# Altium PCB Shuttler_AMC.PcbDoc (part 9 of 12)
Units mm, origin at the board's own origin, x right, y up, seen from the top; angles counter-clockwise.
Board outline 180.71 x 148.55 mm, 12 copper layers (Layer 1, Layer 2, Layer 3, Layer 4, Layer 5, Layer 6, Layer 7, Layer 8, Layer 9, Layer 10, Layer 11, Layer 12), stack 2.14 mm thick; 1184 components, 1698 nets, 9088 pads, 920 vias.
Unrouted connection lines stored in the file: 1441.
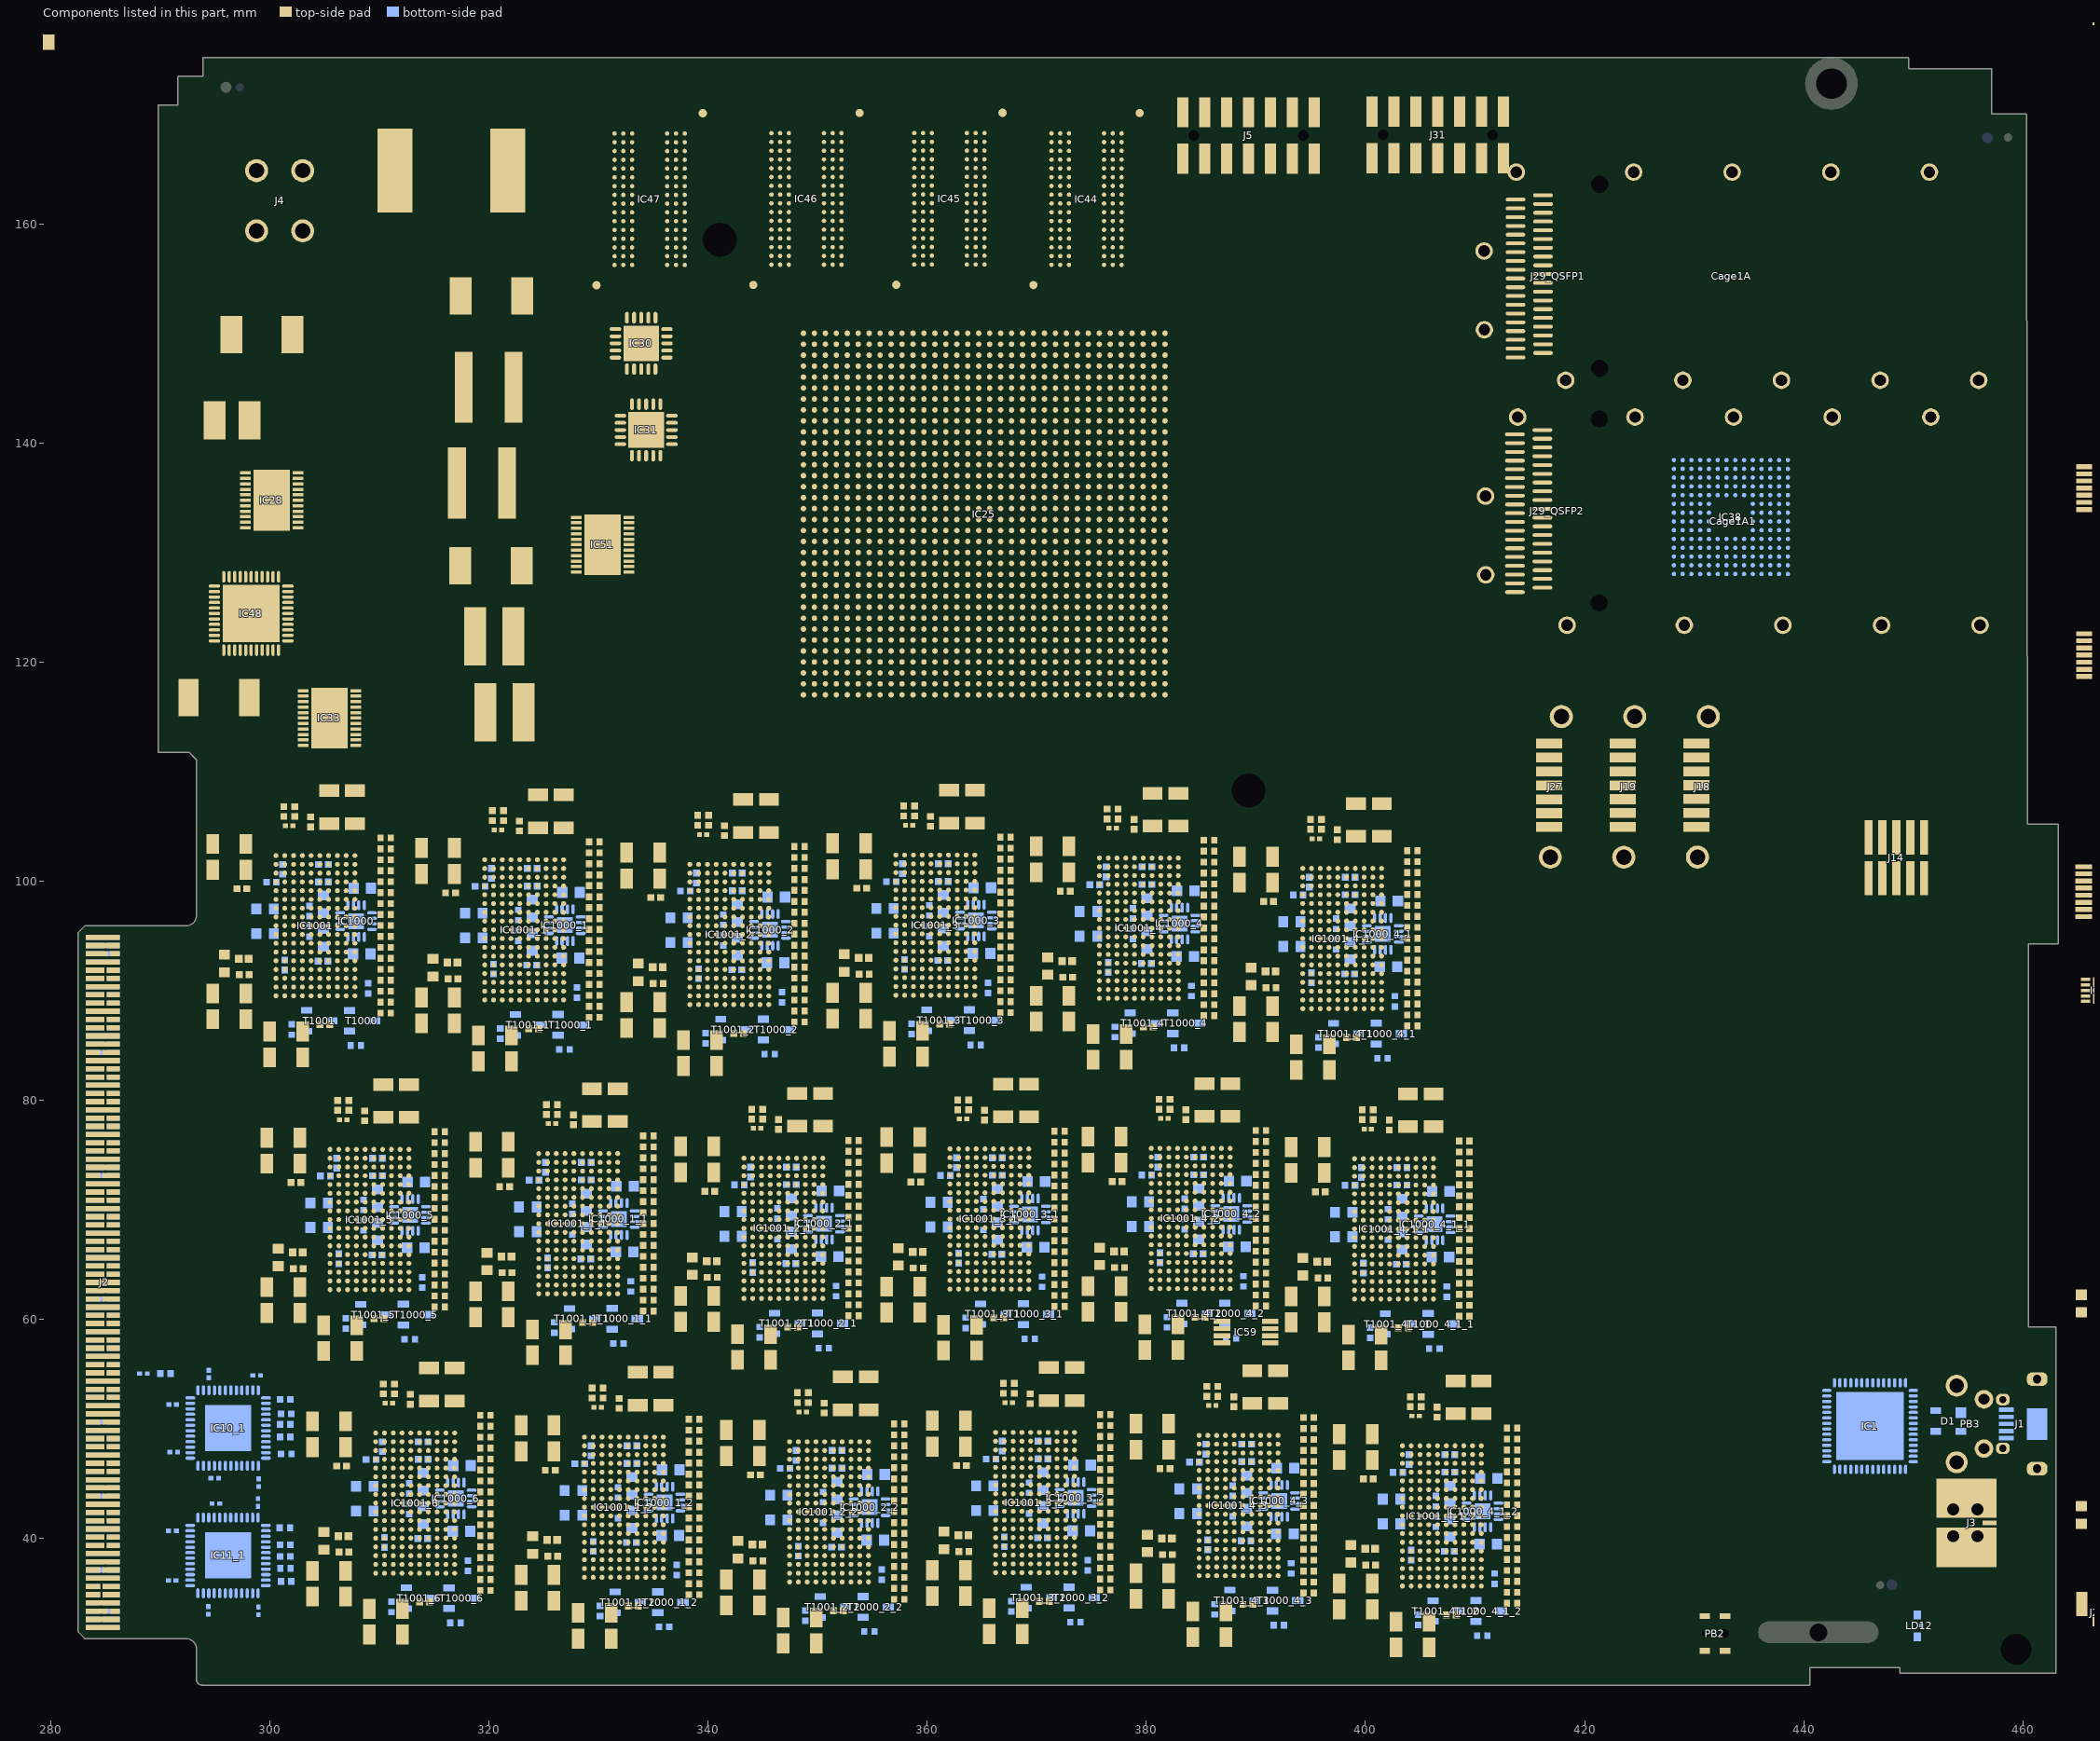
[diagram p15: the components of this part, seen from the top]

## Via types
v1: diameter 0.356, hole 0.155, Layer 1 to Layer 12, 431 vias
v2: diameter 0.3, hole 0.1, Layer 1 to Layer 12, 429 vias
v3: diameter 0.6, hole 0.3, Layer 1 to Layer 12, 38 vias
v4: diameter 0.406, hole 0.203, Layer 1 to Layer 12, 22 vias

## Nets (pads, with @x,y where several pads share a name; then routed paths per layer and width w, separated by ;. In a path a pad name is that pad's centre, name@x,y a point inside that pad or via, vN(x,y) a via of type N, cw(c..) or ccw(c..) an arc to the next point about the centre after c; other vN are vias at no path point) (continued)
pads on no net: IC1001_4_1_1.M2 IC1001_4_1_1.M3 IC1001_4_1_1.M4 IC1001_4_1_1.M5 IC1001_4_1_1.M6 IC1001_4_1_1.M7 IC1001_4_1_1.M8 IC1001_4_1_1.M9 IC1001_4_1_1.M10 IC1001_4_1_1.N1 IC1001_4_1_1.N2 IC1001_4_1_1.N3 IC1001_4_1_1.N4 IC1001_4_1_1.N5 IC1001_4_1_1.N6 IC1001_4_1_1.N7 IC1001_4_1_1.N8 IC1001_4_1_1.N9 IC1001_4_1_1.N10 IC1001_4_1_1.P1 IC1001_4_1_1.P2 IC1001_4_1_1.P3 IC1001_4_1_1.P4 IC1001_4_1_1.P5 IC1001_4_1_1.P6 IC1001_4_1_1.P7 IC1001_4_1_1.P8 IC1001_4_1_1.P9 IC1001_4_1_1.P10 IC1001_4_1_1.Q1 IC1001_4_1_1.Q2 IC1001_4_1_1.Q3 IC1001_4_1_1.Q4 IC1001_4_1_1.Q5 IC1001_4_1_1.Q6 IC1001_4_1_1.Q7 IC1001_4_1_1.Q8 IC1001_4_1_1.Q9 IC1001_4_1_1.Q10 IC1001_4_1_1.R1 IC1001_4_1_1.R2 IC1001_4_1_1.R3 IC1001_4_1_1.R4 IC1001_4_1_1.R5 IC1001_4_1_1.R6 IC1001_4_1_1.R7 IC1001_4_1_1.R8 IC1001_4_1_1.R9 IC1001_4_1_1.R10 IC1001_4_1_1.S1 IC1001_4_1_1.S2 IC1001_4_1_1.S3 IC1001_4_1_1.S4 IC1001_4_1_1.S5 IC1001_4_1_1.S6 IC1001_4_1_1.S7 IC1001_4_1_1.S8 IC1001_4_1_1.S9 IC1001_4_1_1.S10 IC1001_4_1_2.A1 IC1001_4_1_2.A2 IC1001_4_1_2.A3 IC1001_4_1_2.A4 IC1001_4_1_2.A5 IC1001_4_1_2.A6 IC1001_4_1_2.A7 IC1001_4_1_2.A8 IC1001_4_1_2.A9 IC1001_4_1_2.A10 IC1001_4_1_2.B1 IC1001_4_1_2.B2 IC1001_4_1_2.B3 IC1001_4_1_2.B4 IC1001_4_1_2.B5 IC1001_4_1_2.B6 IC1001_4_1_2.B7 IC1001_4_1_2.B8 IC1001_4_1_2.B9 IC1001_4_1_2.B10 IC1001_4_1_2.C1 IC1001_4_1_2.C2 IC1001_4_1_2.C3 IC1001_4_1_2.C4 IC1001_4_1_2.C5 IC1001_4_1_2.C6 IC1001_4_1_2.C7 IC1001_4_1_2.C8 IC1001_4_1_2.C9 IC1001_4_1_2.C10 IC1001_4_1_2.D1 IC1001_4_1_2.D2 IC1001_4_1_2.D3 IC1001_4_1_2.D4 IC1001_4_1_2.D5 IC1001_4_1_2.D6 IC1001_4_1_2.D7 IC1001_4_1_2.D8 IC1001_4_1_2.D9 IC1001_4_1_2.D10 IC1001_4_1_2.E1 IC1001_4_1_2.E2 IC1001_4_1_2.E3 IC1001_4_1_2.E4 IC1001_4_1_2.E5 IC1001_4_1_2.E6 IC1001_4_1_2.E7 IC1001_4_1_2.E8 IC1001_4_1_2.E9 IC1001_4_1_2.E10 IC1001_4_1_2.F1 IC1001_4_1_2.F2 IC1001_4_1_2.F3 IC1001_4_1_2.F4 IC1001_4_1_2.F5 IC1001_4_1_2.F6 IC1001_4_1_2.F7 IC1001_4_1_2.F8 IC1001_4_1_2.F9 IC1001_4_1_2.F10 IC1001_4_1_2.G1 IC1001_4_1_2.G2 IC1001_4_1_2.G3 IC1001_4_1_2.G4 IC1001_4_1_2.G5 IC1001_4_1_2.G6 IC1001_4_1_2.G7 IC1001_4_1_2.G8 IC1001_4_1_2.G9 IC1001_4_1_2.G10 IC1001_4_1_2.H1 IC1001_4_1_2.H2 IC1001_4_1_2.H3 IC1001_4_1_2.H4 IC1001_4_1_2.H5 IC1001_4_1_2.H6 IC1001_4_1_2.H7 IC1001_4_1_2.H8 IC1001_4_1_2.H9 IC1001_4_1_2.H10 IC1001_4_1_2.J1 IC1001_4_1_2.J2 IC1001_4_1_2.J3 IC1001_4_1_2.J4 IC1001_4_1_2.J5 IC1001_4_1_2.J6 IC1001_4_1_2.J7 IC1001_4_1_2.J8 IC1001_4_1_2.J9 IC1001_4_1_2.J10 IC1001_4_1_2.K1 IC1001_4_1_2.K2 IC1001_4_1_2.K3 IC1001_4_1_2.K4 IC1001_4_1_2.K5 IC1001_4_1_2.K6 IC1001_4_1_2.K7 IC1001_4_1_2.K8 IC1001_4_1_2.K9 IC1001_4_1_2.K10 IC1001_4_1_2.L1 IC1001_4_1_2.L2 IC1001_4_1_2.L3 IC1001_4_1_2.L4 IC1001_4_1_2.L5 IC1001_4_1_2.L6 IC1001_4_1_2.L7 IC1001_4_1_2.L8 IC1001_4_1_2.L9 IC1001_4_1_2.L10 IC1001_4_1_2.M1 IC1001_4_1_2.M2 IC1001_4_1_2.M3 IC1001_4_1_2.M4 IC1001_4_1_2.M5 IC1001_4_1_2.M6 IC1001_4_1_2.M7 IC1001_4_1_2.M8 IC1001_4_1_2.M9 IC1001_4_1_2.M10 IC1001_4_1_2.N1 IC1001_4_1_2.N2 IC1001_4_1_2.N3 IC1001_4_1_2.N4 IC1001_4_1_2.N5 IC1001_4_1_2.N6 IC1001_4_1_2.N7 IC1001_4_1_2.N8 IC1001_4_1_2.N9 IC1001_4_1_2.N10 IC1001_4_1_2.P1 IC1001_4_1_2.P2 IC1001_4_1_2.P3 IC1001_4_1_2.P4 IC1001_4_1_2.P5 IC1001_4_1_2.P6 IC1001_4_1_2.P7 IC1001_4_1_2.P8 IC1001_4_1_2.P9 IC1001_4_1_2.P10 IC1001_4_1_2.Q1 IC1001_4_1_2.Q2 IC1001_4_1_2.Q3 IC1001_4_1_2.Q4 IC1001_4_1_2.Q5 IC1001_4_1_2.Q6 IC1001_4_1_2.Q7 IC1001_4_1_2.Q8 IC1001_4_1_2.Q9 IC1001_4_1_2.Q10 IC1001_4_1_2.R1 IC1001_4_1_2.R2 IC1001_4_1_2.R3 IC1001_4_1_2.R4 IC1001_4_1_2.R5 IC1001_4_1_2.R6 IC1001_4_1_2.R7 IC1001_4_1_2.R8 IC1001_4_1_2.R9 IC1001_4_1_2.R10 IC1001_4_1_2.S1 IC1001_4_1_2.S2 IC1001_4_1_2.S3 IC1001_4_1_2.S4 IC1001_4_1_2.S5 IC1001_4_1_2.S6 IC1001_4_1_2.S7 IC1001_4_1_2.S8 IC1001_4_1_2.S9 IC1001_4_1_2.S10 IC1001_4_2.A1 IC1001_4_2.A2 IC1001_4_2.A3 IC1001_4_2.A4 IC1001_4_2.A5 IC1001_4_2.A6 IC1001_4_2.A7 IC1001_4_2.A8 IC1001_4_2.A9 IC1001_4_2.A10 IC1001_4_2.B1 IC1001_4_2.B2 IC1001_4_2.B3 IC1001_4_2.B4 IC1001_4_2.B5 IC1001_4_2.B6 IC1001_4_2.B7 IC1001_4_2.B8 IC1001_4_2.B9 IC1001_4_2.B10 IC1001_4_2.C1 IC1001_4_2.C2 IC1001_4_2.C3 IC1001_4_2.C4 IC1001_4_2.C5 IC1001_4_2.C6 IC1001_4_2.C7 IC1001_4_2.C8 IC1001_4_2.C9 IC1001_4_2.C10 IC1001_4_2.D1 IC1001_4_2.D2 IC1001_4_2.D3 IC1001_4_2.D4 IC1001_4_2.D5 IC1001_4_2.D6 IC1001_4_2.D7 IC1001_4_2.D8 IC1001_4_2.D9 IC1001_4_2.D10 IC1001_4_2.E1 IC1001_4_2.E2 IC1001_4_2.E3 IC1001_4_2.E4 IC1001_4_2.E5 IC1001_4_2.E6 IC1001_4_2.E7 IC1001_4_2.E8 IC1001_4_2.E9 IC1001_4_2.E10 IC1001_4_2.F1 IC1001_4_2.F2 IC1001_4_2.F3 IC1001_4_2.F4 IC1001_4_2.F5 IC1001_4_2.F6 IC1001_4_2.F7 IC1001_4_2.F8 IC1001_4_2.F9 IC1001_4_2.F10 IC1001_4_2.G1 IC1001_4_2.G2 IC1001_4_2.G3 IC1001_4_2.G4 IC1001_4_2.G5 IC1001_4_2.G6 IC1001_4_2.G7 IC1001_4_2.G8 IC1001_4_2.G9 IC1001_4_2.G10 IC1001_4_2.H1 IC1001_4_2.H2 IC1001_4_2.H3 IC1001_4_2.H4 IC1001_4_2.H5 IC1001_4_2.H6 IC1001_4_2.H7 IC1001_4_2.H8 IC1001_4_2.H9 IC1001_4_2.H10 IC1001_4_2.J1 IC1001_4_2.J2 IC1001_4_2.J3 IC1001_4_2.J4 IC1001_4_2.J5 IC1001_4_2.J6 IC1001_4_2.J7 IC1001_4_2.J8 IC1001_4_2.J9 IC1001_4_2.J10 IC1001_4_2.K1 IC1001_4_2.K2 IC1001_4_2.K3 IC1001_4_2.K4 IC1001_4_2.K5 IC1001_4_2.K6 IC1001_4_2.K7 IC1001_4_2.K8 IC1001_4_2.K9 IC1001_4_2.K10 IC1001_4_2.L1 IC1001_4_2.L2 IC1001_4_2.L3 IC1001_4_2.L4 IC1001_4_2.L5 IC1001_4_2.L6 IC1001_4_2.L7 IC1001_4_2.L8 IC1001_4_2.L9 IC1001_4_2.L10 IC1001_4_2.M1 IC1001_4_2.M2 IC1001_4_2.M3 IC1001_4_2.M4 IC1001_4_2.M5 IC1001_4_2.M6 IC1001_4_2.M7 IC1001_4_2.M8 IC1001_4_2.M9 IC1001_4_2.M10 IC1001_4_2.N1 IC1001_4_2.N2 IC1001_4_2.N3 IC1001_4_2.N4 IC1001_4_2.N5 IC1001_4_2.N6 IC1001_4_2.N7 IC1001_4_2.N8 IC1001_4_2.N9 IC1001_4_2.N10 IC1001_4_2.P1 IC1001_4_2.P2 IC1001_4_2.P3 IC1001_4_2.P4 IC1001_4_2.P5 IC1001_4_2.P6 IC1001_4_2.P7 IC1001_4_2.P8 IC1001_4_2.P9 IC1001_4_2.P10 IC1001_4_2.Q1 IC1001_4_2.Q2 IC1001_4_2.Q3 IC1001_4_2.Q4 IC1001_4_2.Q5 IC1001_4_2.Q6 IC1001_4_2.Q7 IC1001_4_2.Q8 IC1001_4_2.Q9 IC1001_4_2.Q10 IC1001_4_2.R1 IC1001_4_2.R2 IC1001_4_2.R3 IC1001_4_2.R4 IC1001_4_2.R5 IC1001_4_2.R6 IC1001_4_2.R7 IC1001_4_2.R8 IC1001_4_2.R9 IC1001_4_2.R10 IC1001_4_2.S1 IC1001_4_2.S2 IC1001_4_2.S3 IC1001_4_2.S4 IC1001_4_2.S5 IC1001_4_2.S6 IC1001_4_2.S7 IC1001_4_2.S8 IC1001_4_2.S9 IC1001_4_2.S10 IC1001_4_3.A1 IC1001_4_3.A2 IC1001_4_3.A3 IC1001_4_3.A4 IC1001_4_3.A5 IC1001_4_3.A6 IC1001_4_3.A7 IC1001_4_3.A8 IC1001_4_3.A9 IC1001_4_3.A10 IC1001_4_3.B1 IC1001_4_3.B2 IC1001_4_3.B3 IC1001_4_3.B4 IC1001_4_3.B5 IC1001_4_3.B6 IC1001_4_3.B7 IC1001_4_3.B8 IC1001_4_3.B9 IC1001_4_3.B10 IC1001_4_3.C1 IC1001_4_3.C2 IC1001_4_3.C3 IC1001_4_3.C4 IC1001_4_3.C5 IC1001_4_3.C6 IC1001_4_3.C7 IC1001_4_3.C8 IC1001_4_3.C9 IC1001_4_3.C10 IC1001_4_3.D1 IC1001_4_3.D2 IC1001_4_3.D3 IC1001_4_3.D4 IC1001_4_3.D5 IC1001_4_3.D6 IC1001_4_3.D7 IC1001_4_3.D8 IC1001_4_3.D9 IC1001_4_3.D10 IC1001_4_3.E1 IC1001_4_3.E2 IC1001_4_3.E3 IC1001_4_3.E4 IC1001_4_3.E5 IC1001_4_3.E6 IC1001_4_3.E7 IC1001_4_3.E8 IC1001_4_3.E9 IC1001_4_3.E10 IC1001_4_3.F1 IC1001_4_3.F2 IC1001_4_3.F3 IC1001_4_3.F4 IC1001_4_3.F5 IC1001_4_3.F6 IC1001_4_3.F7 IC1001_4_3.F8 IC1001_4_3.F9 IC1001_4_3.F10 IC1001_4_3.G1 IC1001_4_3.G2 IC1001_4_3.G3 IC1001_4_3.G4 IC1001_4_3.G5 IC1001_4_3.G6 IC1001_4_3.G7 IC1001_4_3.G8 IC1001_4_3.G9 IC1001_4_3.G10 IC1001_4_3.H1 IC1001_4_3.H2 IC1001_4_3.H3 IC1001_4_3.H4 IC1001_4_3.H5 IC1001_4_3.H6 IC1001_4_3.H7 IC1001_4_3.H8 IC1001_4_3.H9 IC1001_4_3.H10 IC1001_4_3.J1 IC1001_4_3.J2 IC1001_4_3.J3 IC1001_4_3.J4 IC1001_4_3.J5 IC1001_4_3.J6 IC1001_4_3.J7 IC1001_4_3.J8 IC1001_4_3.J9 IC1001_4_3.J10 IC1001_4_3.K1 IC1001_4_3.K2 IC1001_4_3.K3 IC1001_4_3.K4 IC1001_4_3.K5 IC1001_4_3.K6 IC1001_4_3.K7 IC1001_4_3.K8 IC1001_4_3.K9 IC1001_4_3.K10 IC1001_4_3.L1 IC1001_4_3.L2 IC1001_4_3.L3 IC1001_4_3.L4 IC1001_4_3.L5 IC1001_4_3.L6 IC1001_4_3.L7 IC1001_4_3.L8 IC1001_4_3.L9 IC1001_4_3.L10 IC1001_4_3.M1 IC1001_4_3.M2 IC1001_4_3.M3 IC1001_4_3.M4 IC1001_4_3.M5 IC1001_4_3.M6 IC1001_4_3.M7 IC1001_4_3.M8 IC1001_4_3.M9 IC1001_4_3.M10 IC1001_4_3.N1 IC1001_4_3.N2 IC1001_4_3.N3 IC1001_4_3.N4 IC1001_4_3.N5 IC1001_4_3.N6 IC1001_4_3.N7 IC1001_4_3.N8 IC1001_4_3.N9 IC1001_4_3.N10 IC1001_4_3.P1 IC1001_4_3.P2 IC1001_4_3.P3 IC1001_4_3.P4 IC1001_4_3.P5 IC1001_4_3.P6 IC1001_4_3.P7 IC1001_4_3.P8 IC1001_4_3.P9 IC1001_4_3.P10 IC1001_4_3.Q1 IC1001_4_3.Q2 IC1001_4_3.Q3 IC1001_4_3.Q4 IC1001_4_3.Q5 IC1001_4_3.Q6 IC1001_4_3.Q7 IC1001_4_3.Q8 IC1001_4_3.Q9 IC1001_4_3.Q10 IC1001_4_3.R1 IC1001_4_3.R2 IC1001_4_3.R3 IC1001_4_3.R4 IC1001_4_3.R5 IC1001_4_3.R6 IC1001_4_3.R7 IC1001_4_3.R8 IC1001_4_3.R9 IC1001_4_3.R10 IC1001_4_3.S1 IC1001_4_3.S2 IC1001_4_3.S3 IC1001_4_3.S4 IC1001_4_3.S5 IC1001_4_3.S6 IC1001_4_3.S7 IC1001_4_3.S8 IC1001_4_3.S9 IC1001_4_3.S10 IC1001_5.A1 IC1001_5.A2 IC1001_5.A3 IC1001_5.A4 IC1001_5.A5 IC1001_5.A6 IC1001_5.A7 IC1001_5.A8 IC1001_5.A9 IC1001_5.A10 IC1001_5.B1 IC1001_5.B2 IC1001_5.B3 IC1001_5.B4 IC1001_5.B5 IC1001_5.B6 IC1001_5.B7 IC1001_5.B8 IC1001_5.B9 IC1001_5.B10 IC1001_5.C1 IC1001_5.C2 IC1001_5.C3 IC1001_5.C4 IC1001_5.C5 IC1001_5.C6 IC1001_5.C7 IC1001_5.C8 IC1001_5.C9 IC1001_5.C10 IC1001_5.D1 IC1001_5.D2 IC1001_5.D3 IC1001_5.D4 IC1001_5.D5 IC1001_5.D6 IC1001_5.D7 IC1001_5.D8 IC1001_5.D9 IC1001_5.D10 IC1001_5.E1 IC1001_5.E2 IC1001_5.E3 IC1001_5.E4 IC1001_5.E5 IC1001_5.E6 IC1001_5.E7 IC1001_5.E8 IC1001_5.E9 IC1001_5.E10 IC1001_5.F1 IC1001_5.F2 IC1001_5.F3 IC1001_5.F4 IC1001_5.F5 IC1001_5.F6 IC1001_5.F7 IC1001_5.F8 IC1001_5.F9 IC1001_5.F10 IC1001_5.G1 IC1001_5.G2 IC1001_5.G3 IC1001_5.G4 IC1001_5.G5 IC1001_5.G6 IC1001_5.G7 IC1001_5.G8 IC1001_5.G9 IC1001_5.G10 IC1001_5.H1 IC1001_5.H2 IC1001_5.H3 IC1001_5.H4 IC1001_5.H5 IC1001_5.H6 IC1001_5.H7 IC1001_5.H8 IC1001_5.H9 IC1001_5.H10 IC1001_5.J1 IC1001_5.J2 IC1001_5.J3 IC1001_5.J4 IC1001_5.J5 IC1001_5.J6 IC1001_5.J7 IC1001_5.J8 IC1001_5.J9 IC1001_5.J10 IC1001_5.K1 IC1001_5.K2 IC1001_5.K3 IC1001_5.K4 IC1001_5.K5 IC1001_5.K6 IC1001_5.K7 IC1001_5.K8 IC1001_5.K9 IC1001_5.K10 IC1001_5.L1 IC1001_5.L2 IC1001_5.L3 IC1001_5.L4 IC1001_5.L5 IC1001_5.L6 IC1001_5.L7 IC1001_5.L8 IC1001_5.L9 IC1001_5.L10 IC1001_5.M1 IC1001_5.M2 IC1001_5.M3 IC1001_5.M4 IC1001_5.M5 IC1001_5.M6 IC1001_5.M7 IC1001_5.M8 IC1001_5.M9 IC1001_5.M10 IC1001_5.N1 IC1001_5.N2 IC1001_5.N3 IC1001_5.N4 IC1001_5.N5 IC1001_5.N6 IC1001_5.N7 IC1001_5.N8 IC1001_5.N9 IC1001_5.N10 IC1001_5.P1 IC1001_5.P2 IC1001_5.P3 IC1001_5.P4 IC1001_5.P5 IC1001_5.P6 IC1001_5.P7 IC1001_5.P8 IC1001_5.P9 IC1001_5.P10 IC1001_5.Q1 IC1001_5.Q2 IC1001_5.Q3 IC1001_5.Q4 IC1001_5.Q5 IC1001_5.Q6 IC1001_5.Q7 IC1001_5.Q8 IC1001_5.Q9 IC1001_5.Q10 IC1001_5.R1 IC1001_5.R2 IC1001_5.R3 IC1001_5.R4 IC1001_5.R5 IC1001_5.R6 IC1001_5.R7 IC1001_5.R8 IC1001_5.R9 IC1001_5.R10 IC1001_5.S1 IC1001_5.S2 IC1001_5.S3 IC1001_5.S4 IC1001_5.S5 IC1001_5.S6 IC1001_5.S7 IC1001_5.S8 IC1001_5.S9 IC1001_5.S10 IC1001_6.A1 IC1001_6.A2 IC1001_6.A3 IC1001_6.A4 IC1001_6.A5 IC1001_6.A6 IC1001_6.A7 IC1001_6.A8 IC1001_6.A9 IC1001_6.A10 IC1001_6.B1 IC1001_6.B2 IC1001_6.B3 IC1001_6.B4 IC1001_6.B5 IC1001_6.B6 IC1001_6.B7 IC1001_6.B8 IC1001_6.B9 IC1001_6.B10 IC1001_6.C1 IC1001_6.C2 IC1001_6.C3 IC1001_6.C4 IC1001_6.C5 IC1001_6.C6 IC1001_6.C7 IC1001_6.C8 IC1001_6.C9 IC1001_6.C10 IC1001_6.D1 IC1001_6.D2 IC1001_6.D3 IC1001_6.D4 IC1001_6.D5 IC1001_6.D6 IC1001_6.D7 IC1001_6.D8 IC1001_6.D9 IC1001_6.D10 IC1001_6.E1 IC1001_6.E2 IC1001_6.E3 IC1001_6.E4 IC1001_6.E5 IC1001_6.E6 IC1001_6.E7 IC1001_6.E8 IC1001_6.E9 IC1001_6.E10 IC1001_6.F1 IC1001_6.F2 IC1001_6.F3 IC1001_6.F4 IC1001_6.F5 IC1001_6.F6 IC1001_6.F7 IC1001_6.F8 IC1001_6.F9 IC1001_6.F10 IC1001_6.G1 IC1001_6.G2 IC1001_6.G3 IC1001_6.G4 IC1001_6.G5 IC1001_6.G6 IC1001_6.G7 IC1001_6.G8 IC1001_6.G9 IC1001_6.G10 IC1001_6.H1 IC1001_6.H2 IC1001_6.H3 IC1001_6.H4 IC1001_6.H5 IC1001_6.H6 IC1001_6.H7 IC1001_6.H8 IC1001_6.H9 IC1001_6.H10 IC1001_6.J1 IC1001_6.J2 IC1001_6.J3 IC1001_6.J4 IC1001_6.J5 IC1001_6.J6 IC1001_6.J7 IC1001_6.J8 IC1001_6.J9 IC1001_6.J10 IC1001_6.K1 IC1001_6.K2 IC1001_6.K3 IC1001_6.K4 IC1001_6.K5 IC1001_6.K6 IC1001_6.K7 IC1001_6.K8 IC1001_6.K9 IC1001_6.K10 IC1001_6.L1 IC1001_6.L2 IC1001_6.L3 IC1001_6.L4 IC1001_6.L5 IC1001_6.L6 IC1001_6.L7 IC1001_6.L8 IC1001_6.L9 IC1001_6.L10 IC1001_6.M1 IC1001_6.M2 IC1001_6.M3 IC1001_6.M4 IC1001_6.M5 IC1001_6.M6 IC1001_6.M7 IC1001_6.M8 IC1001_6.M9 IC1001_6.M10 IC1001_6.N1 IC1001_6.N2 IC1001_6.N3 IC1001_6.N4 IC1001_6.N5 IC1001_6.N6 IC1001_6.N7 IC1001_6.N8 IC1001_6.N9 IC1001_6.N10 IC1001_6.P1 IC1001_6.P2 IC1001_6.P3 IC1001_6.P4 IC1001_6.P5 IC1001_6.P6 IC1001_6.P7 IC1001_6.P8 IC1001_6.P9 IC1001_6.P10 IC1001_6.Q1 IC1001_6.Q2 IC1001_6.Q3 IC1001_6.Q4 IC1001_6.Q5 IC1001_6.Q6 IC1001_6.Q7 IC1001_6.Q8 IC1001_6.Q9 IC1001_6.Q10 IC1001_6.R1 IC1001_6.R2 IC1001_6.R3 IC1001_6.R4 IC1001_6.R5 IC1001_6.R6 IC1001_6.R7 IC1001_6.R8 IC1001_6.R9 IC1001_6.R10 IC1001_6.S1 IC1001_6.S2 IC1001_6.S3 IC1001_6.S4 IC1001_6.S5 IC1001_6.S6 IC1001_6.S7 IC1001_6.S8 IC1001_6.S9 IC1001_6.S10 J1.4 J1.6/2 J1.6/3 J1.6/4 J1.PASTEPAD J2.171 J2.172 J2.173 J2.174 J2.175 J2.176 J2.177 J2.178 J2.179 J2.180 J2.181 J2.182 J2.183 J2.184 J2.185 J2.186 J2.187 J2.188 J2.189 J2.190 J2.191 J2.192 J2.193 J2.194 J2.195 J2.196 J2.197 J2.198 J2.199 J2.200 J2.201 J2.202 J2.203 J2.204 J2.205 J2.206 J2.207 J2.208 J2.209 J2.210 J2.211 J2.212 J2.213 J2.214 J2.215 J2.216 J2.217 J2.218 J2.219 J2.220 J2.221 J2.222 J2.223 J2.224 J2.225 J2.226 J2.227 J2.228 J2.229 J2.230 J2.231 J2.232 J2.233 J2.234 J2.235 J2.236 J2.237 J2.238 J2.239 J2.240 J2.241 J2.242 J2.243 J2.244 J2.245 J2.246 J2.247 J2.248 J2.249 J2.250 J2.251 J2.252 J2.253 J2.254 J2.255 J2.256 J2.257 J2.258 J2.259 J2.260 J2.261 J2.262 J2.263 J2.264 J2.265 J2.266 J2.267 J2.268 J2.269 J2.270 J2.271 J2.272 J2.273 J2.274 J5.1 J5.12 J5.15 J5.16 J14.7 J18.2 J18.3 J18.MECH1 J18.MECH2 J19.2 J19.3 J19.MECH1 J19.MECH2 J27.MECH1 J27.MECH2 J29_QSFP1.MTG1 J29_QSFP1.MTG2 J29_QSFP2.MTG1 J29_QSFP2.MTG2 J31.14 J31.15 J31.16 L1000.1 L1000.2 L1000_1.1 L1000_1.2 L1000_1_1.1 L1000_1_1.2 L1000_1_2.1 L1000_1_2.2 L1000_2.1 L1000_2.2 L1000_2_1.1 L1000_2_1.2 L1000_2_2.1 L1000_2_2.2 L1000_3.1 L1000_3.2 L1000_3_1.1 L1000_3_1.2 L1000_3_2.1 L1000_3_2.2 L1000_4.1 L1000_4.2 L1000_4_1.1 L1000_4_1.2 L1000_4_1_1.1 L1000_4_1_1.2 L1000_4_1_2.1 L1000_4_1_2.2 L1000_4_2.1 L1000_4_2.2 L1000_4_3.1 L1000_4_3.2 L1000_5.1 L1000_5.2 L1000_6.1 L1000_6.2 L1001.1 L1001.2 L1001_1.1 L1001_1.2 L1001_1_1.1 L1001_1_1.2 L1001_1_2.1 L1001_1_2.2 L1001_2.1 L1001_2.2 L1001_2_1.1 L1001_2_1.2 L1001_2_2.1 L1001_2_2.2 L1001_3.1 L1001_3.2 L1001_3_1.1 L1001_3_1.2 L1001_3_2.1 L1001_3_2.2 L1001_4.1 L1001_4.2 L1001_4_1.1 L1001_4_1.2 L1001_4_1_1.1 L1001_4_1_1.2 L1001_4_1_2.1 L1001_4_1_2.2 L1001_4_2.1 L1001_4_2.2 L1001_4_3.1 L1001_4_3.2 L1001_5.1 L1001_5.2 L1001_6.1 L1001_6.2 LD12.3 PB2.5 PB2.10 R60.1 R60.2 R61.1 R61.2 R62.1 R62.2 R63.1 R63.2 R64.1 R64.2 R65.1 R65.2 R66.1 R66.2 R67.1 R67.2 R68.1 R68.2 R69.1 R69.2 R447.1 R447.2 R1000.1 R1000.2 R1000_1.1 R1000_1.2 R1000_1_1.1 R1000_1_1.2 R1000_1_2.1 R1000_1_2.2 R1000_2.1 R1000_2.2 R1000_2_1.1 R1000_2_1.2 R1000_2_2.1 R1000_2_2.2 R1000_3.1 R1000_3.2 R1000_3_1.1 R1000_3_1.2 R1000_3_2.1 R1000_3_2.2 R1000_4.1 R1000_4.2 R1000_4_1.1 R1000_4_1.2 R1000_4_1_1.1 R1000_4_1_1.2 R1000_4_1_2.1 R1000_4_1_2.2 R1000_4_2.1 R1000_4_2.2 R1000_4_3.1 R1000_4_3.2 R1000_5.1 R1000_5.2 R1000_6.1 R1000_6.2 R1001.1 R1001.2 R1001_1.1 R1001_1.2 R1001_1_1.1 R1001_1_1.2 R1001_1_2.1 R1001_1_2.2 R1001_2.1 R1001_2.2 R1001_2_1.1 R1001_2_1.2 R1001_2_2.1 R1001_2_2.2 R1001_3.1 R1001_3.2 R1001_3_1.1 R1001_3_1.2 R1001_3_2.1 R1001_3_2.2 R1001_4.1 R1001_4.2 R1001_4_1.1 R1001_4_1.2 R1001_4_1_1.1 R1001_4_1_1.2 R1001_4_1_2.1 R1001_4_1_2.2 R1001_4_2.1 R1001_4_2.2 R1001_4_3.1 R1001_4_3.2 R1001_5.1 R1001_5.2 R1001_6.1 R1001_6.2 R1002.1 R1002.2 R1002_1.1 R1002_1.2 R1002_1_1.1 R1002_1_1.2 R1002_1_2.1 R1002_1_2.2 R1002_2.1 R1002_2.2 R1002_2_1.1 R1002_2_1.2 R1002_2_2.1 R1002_2_2.2 R1002_3.1 R1002_3.2 R1002_3_1.1 R1002_3_1.2 R1002_3_2.1 R1002_3_2.2 R1002_4.1 R1002_4.2 R1002_4_1.1 R1002_4_1.2 R1002_4_1_1.1 R1002_4_1_1.2 R1002_4_1_2.1 R1002_4_1_2.2 R1002_4_2.1 R1002_4_2.2 R1002_4_3.1 R1002_4_3.2 R1002_5.1 R1002_5.2 R1002_6.1 R1002_6.2 R1003.1 R1003.2 R1003_1.1 R1003_1.2 R1003_1_1.1 R1003_1_1.2 R1003_1_2.1 R1003_1_2.2 R1003_2.1 R1003_2.2 R1003_2_1.1 R1003_2_1.2 R1003_2_2.1 R1003_2_2.2 R1003_3.1 R1003_3.2 R1003_3_1.1 R1003_3_1.2 R1003_3_2.1 R1003_3_2.2 R1003_4.1 R1003_4.2 R1003_4_1.1 R1003_4_1.2 R1003_4_1_1.1 R1003_4_1_1.2 R1003_4_1_2.1 R1003_4_1_2.2 R1003_4_2.1 R1003_4_2.2 R1003_4_3.1 R1003_4_3.2 R1003_5.1 R1003_5.2 R1003_6.1 R1003_6.2 R1004.1 R1004.2 R1004_1.1 R1004_1.2 R1004_1_1.1 R1004_1_1.2 R1004_1_2.1 R1004_1_2.2 R1004_2.1 R1004_2.2 R1004_2_1.1 R1004_2_1.2 R1004_2_2.1 R1004_2_2.2 R1004_3.1 R1004_3.2 R1004_3_1.1 R1004_3_1.2 R1004_3_2.1 R1004_3_2.2 R1004_4.1 R1004_4.2 R1004_4_1.1 R1004_4_1.2 R1004_4_1_1.1 R1004_4_1_1.2 R1004_4_1_2.1 R1004_4_1_2.2 R1004_4_2.1 R1004_4_2.2 R1004_4_3.1 R1004_4_3.2 R1004_5.1 R1004_5.2 R1004_6.1 R1004_6.2 R1005.1 R1005.2 R1005_1.1 R1005_1.2 R1005_1_1.1 R1005_1_1.2 R1005_1_2.1 R1005_1_2.2 R1005_2.1 R1005_2.2 R1005_2_1.1 R1005_2_1.2 R1005_2_2.1 R1005_2_2.2 R1005_3.1 R1005_3.2 R1005_3_1.1 R1005_3_1.2 R1005_3_2.1 R1005_3_2.2 R1005_4.1 R1005_4.2 R1005_4_1.1 R1005_4_1.2 R1005_4_1_1.1 R1005_4_1_1.2 R1005_4_1_2.1 R1005_4_1_2.2 R1005_4_2.1 R1005_4_2.2 R1005_4_3.1 R1005_4_3.2 R1005_5.1 R1005_5.2 R1005_6.1 R1005_6.2 R1006.1 R1006.2 R1006_1.1 R1006_1.2 R1006_1_1.1 R1006_1_1.2 R1006_1_2.1 R1006_1_2.2 R1006_2.1 R1006_2.2 R1006_2_1.1 R1006_2_1.2 R1006_2_2.1 R1006_2_2.2 R1006_3.1 R1006_3.2 R1006_3_1.1 R1006_3_1.2 R1006_3_2.1 R1006_3_2.2 R1006_4.1 R1006_4.2 R1006_4_1.1 R1006_4_1.2 R1006_4_1_1.1 R1006_4_1_1.2 R1006_4_1_2.1 R1006_4_1_2.2 R1006_4_2.1 R1006_4_2.2 R1006_4_3.1 R1006_4_3.2 R1006_5.1 R1006_5.2 R1006_6.1 R1006_6.2 R1007.1 R1007.2 R1007_1.1 R1007_1.2 R1007_1_1.1 R1007_1_1.2 R1007_1_2.1 R1007_1_2.2 R1007_2.1 R1007_2.2 R1007_2_1.1 R1007_2_1.2 R1007_2_2.1 R1007_2_2.2 R1007_3.1 R1007_3.2 R1007_3_1.1 R1007_3_1.2 R1007_3_2.1 R1007_3_2.2 R1007_4.1 R1007_4.2 R1007_4_1.1 R1007_4_1.2 R1007_4_1_1.1 R1007_4_1_1.2 R1007_4_1_2.1 R1007_4_1_2.2 R1007_4_2.1 R1007_4_2.2 R1007_4_3.1 R1007_4_3.2 R1007_5.1 R1007_5.2 R1007_6.1 R1007_6.2 R1008.1 R1008.2 R1008_1.1 R1008_1.2 R1008_1_1.1 R1008_1_1.2 R1008_1_2.1 R1008_1_2.2 R1008_2.1 R1008_2.2 R1008_2_1.1 R1008_2_1.2 R1008_2_2.1 R1008_2_2.2 R1008_3.1 R1008_3.2 R1008_3_1.1 R1008_3_1.2 R1008_3_2.1 R1008_3_2.2 R1008_4.1 R1008_4.2 R1008_4_1.1 R1008_4_1.2 R1008_4_1_1.1 R1008_4_1_1.2 R1008_4_1_2.1 R1008_4_1_2.2 R1008_4_2.1 R1008_4_2.2 R1008_4_3.1 R1008_4_3.2 R1008_5.1 R1008_5.2 R1008_6.1 R1008_6.2 R1009.1 R1009.2 R1009_1.1 R1009_1.2 R1009_1_1.1 R1009_1_1.2 R1009_1_2.1 R1009_1_2.2 R1009_2.1 R1009_2.2 R1009_2_1.1 R1009_2_1.2 R1009_2_2.1 R1009_2_2.2 R1009_3.1 R1009_3.2 R1009_3_1.1 R1009_3_1.2 R1009_3_2.1 R1009_3_2.2 R1009_4.1 R1009_4.2 R1009_4_1.1 R1009_4_1.2 R1009_4_1_1.1 R1009_4_1_1.2 R1009_4_1_2.1 R1009_4_1_2.2 R1009_4_2.1 R1009_4_2.2 R1009_4_3.1 R1009_4_3.2 R1009_5.1 R1009_5.2 R1009_6.1 R1009_6.2 R1010.1 R1010.2 R1010_1.1 R1010_1.2 R1010_1_1.1 R1010_1_1.2 R1010_1_2.1 R1010_1_2.2 R1010_2.1 R1010_2.2 R1010_2_1.1 R1010_2_1.2 R1010_2_2.1 R1010_2_2.2 R1010_3.1 R1010_3.2 R1010_3_1.1 R1010_3_1.2 R1010_3_2.1 R1010_3_2.2 R1010_4.1 R1010_4.2 R1010_4_1.1 R1010_4_1.2 R1010_4_1_1.1 R1010_4_1_1.2 R1010_4_1_2.1 R1010_4_1_2.2 R1010_4_2.1 R1010_4_2.2 R1010_4_3.1 R1010_4_3.2 R1010_5.1 R1010_5.2 R1010_6.1 R1010_6.2 R1011.1 R1011.2 R1011_1.1 R1011_1.2 R1011_1_1.1 R1011_1_1.2 R1011_1_2.1 R1011_1_2.2 R1011_2.1 R1011_2.2 R1011_2_1.1 R1011_2_1.2 R1011_2_2.1 R1011_2_2.2 R1011_3.1 R1011_3.2 R1011_3_1.1 R1011_3_1.2 R1011_3_2.1 R1011_3_2.2 R1011_4.1 R1011_4.2 R1011_4_1.1 R1011_4_1.2 R1011_4_1_1.1 R1011_4_1_1.2 R1011_4_1_2.1 R1011_4_1_2.2 R1011_4_2.1 R1011_4_2.2 R1011_4_3.1 R1011_4_3.2 R1011_5.1 R1011_5.2 R1011_6.1 R1011_6.2 R1012.1 R1012.2 R1012_1.1 R1012_1.2 R1012_1_1.1 R1012_1_1.2 R1012_1_2.1 R1012_1_2.2 R1012_2.1 R1012_2.2 R1012_2_1.1 R1012_2_1.2 R1012_2_2.1 R1012_2_2.2 R1012_3.1 R1012_3.2 R1012_3_1.1 R1012_3_1.2 R1012_3_2.1 R1012_3_2.2 R1012_4.1 R1012_4.2 R1012_4_1.1 R1012_4_1.2 R1012_4_1_1.1 R1012_4_1_1.2 R1012_4_1_2.1 R1012_4_1_2.2 R1012_4_2.1 R1012_4_2.2 R1012_4_3.1 R1012_4_3.2 R1012_5.1 R1012_5.2 R1012_6.1 R1012_6.2 R1013.1 R1013.2 R1013_1.1 R1013_1.2 R1013_1_1.1 R1013_1_1.2 R1013_1_2.1 R1013_1_2.2 R1013_2.1 R1013_2.2 R1013_2_1.1 R1013_2_1.2 R1013_2_2.1 R1013_2_2.2 R1013_3.1 